# Altium PCB Moki V3.PcbDoc
Units mm, origin at the board's own origin, x right, y up, seen from the top; angles counter-clockwise.
Board outline 53.5 x 41 mm, 2 copper layers (Top Layer, Bottom Layer), stack 1.141 mm thick; 91 components, 85 nets, 369 pads, 162 vias.
Unrouted connection lines stored in the file: 72.
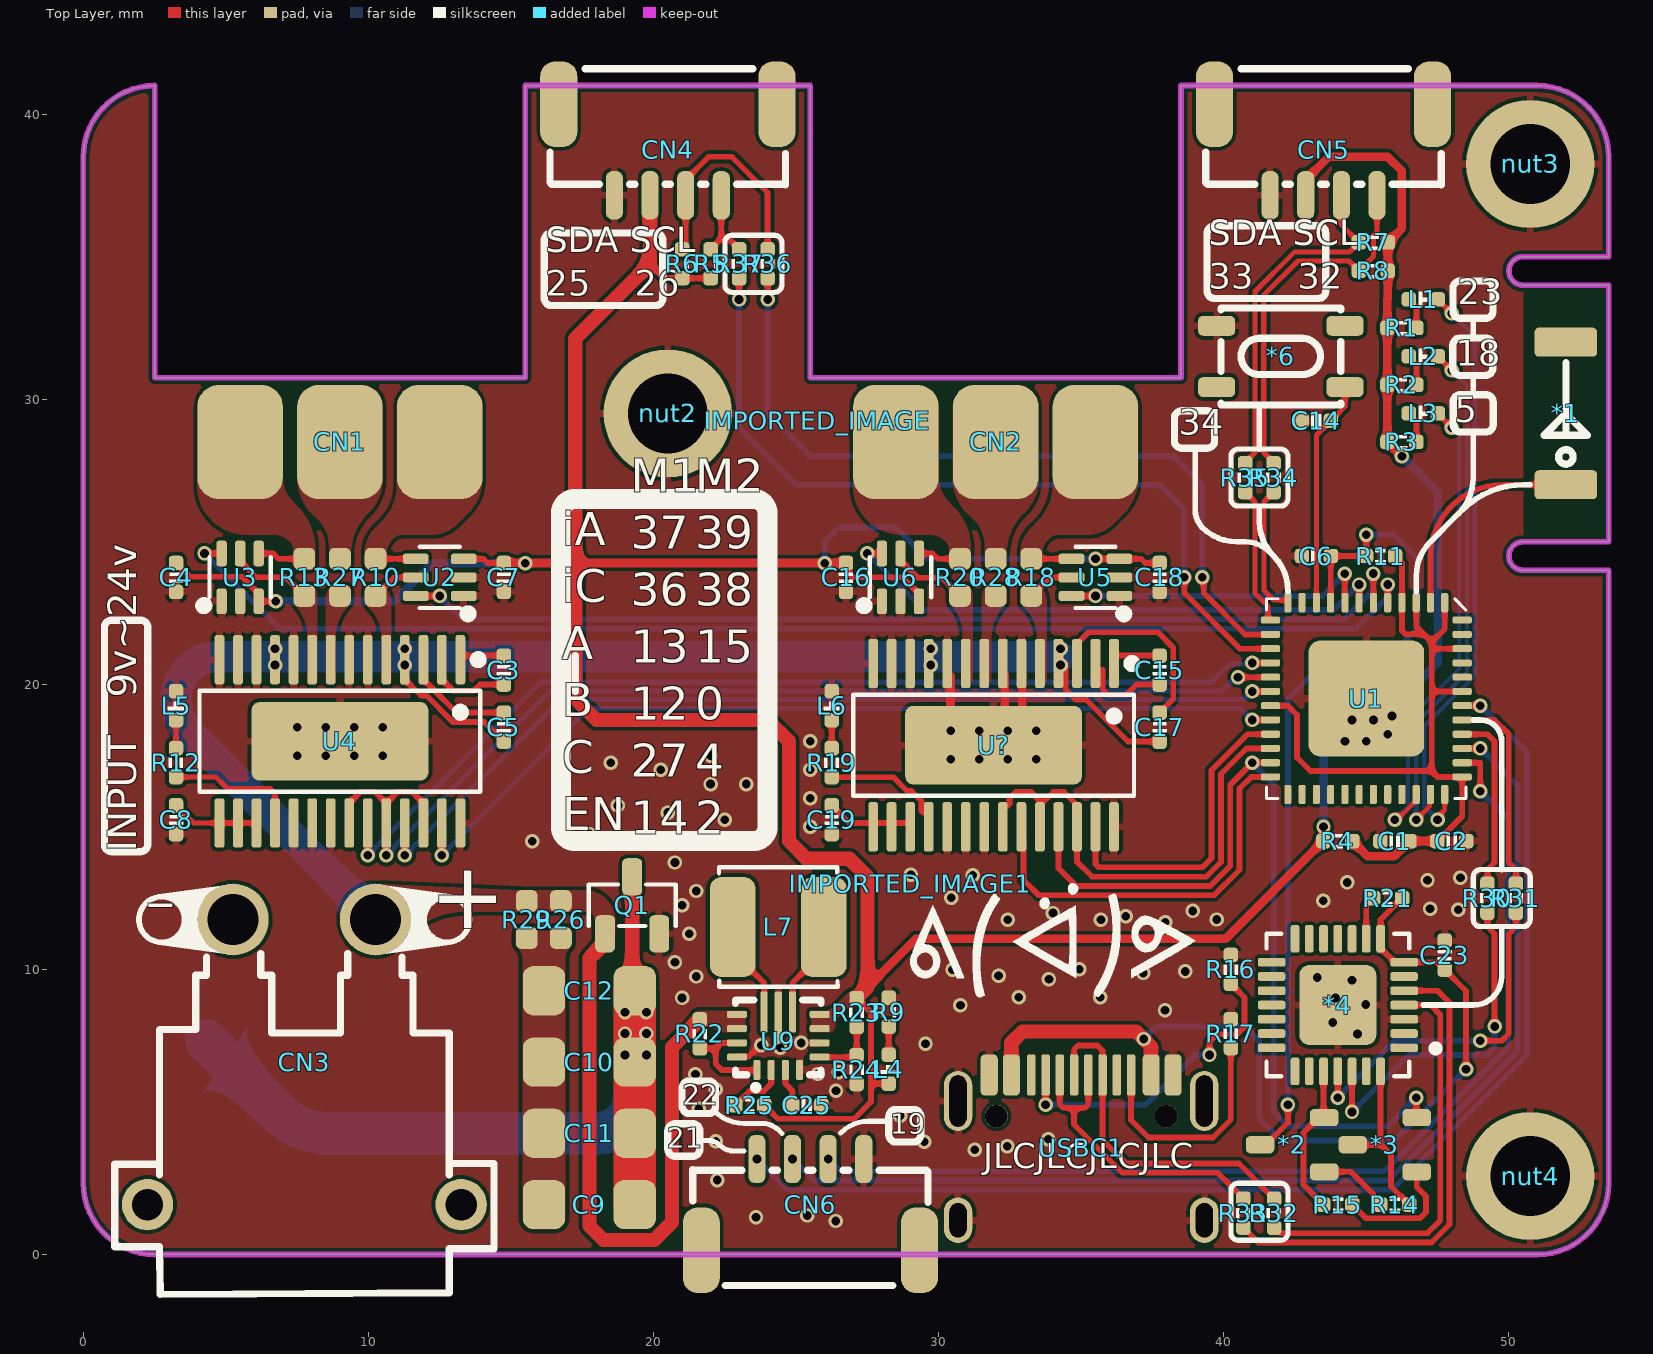
[diagram p0: Top Layer view]
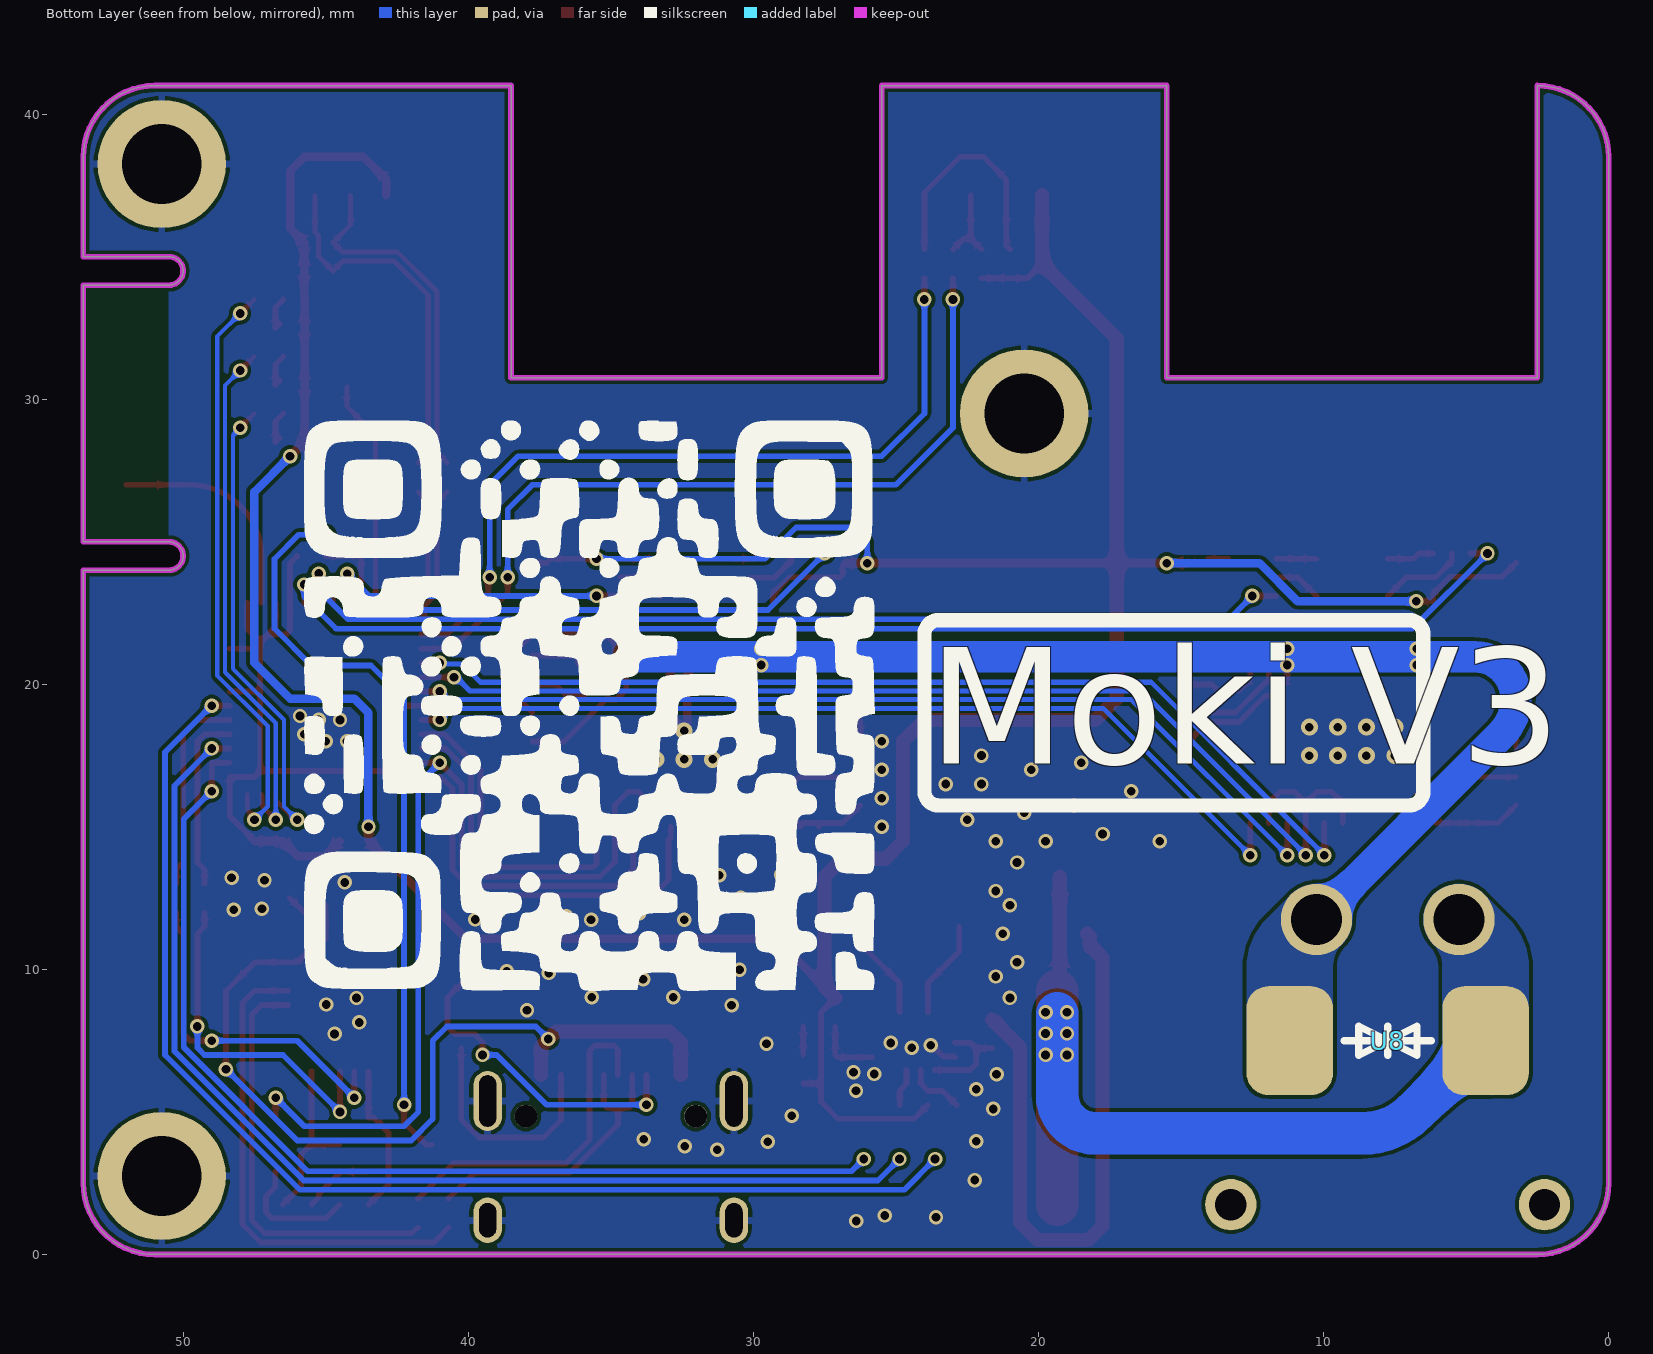
[diagram p1: Bottom Layer view, seen from below]
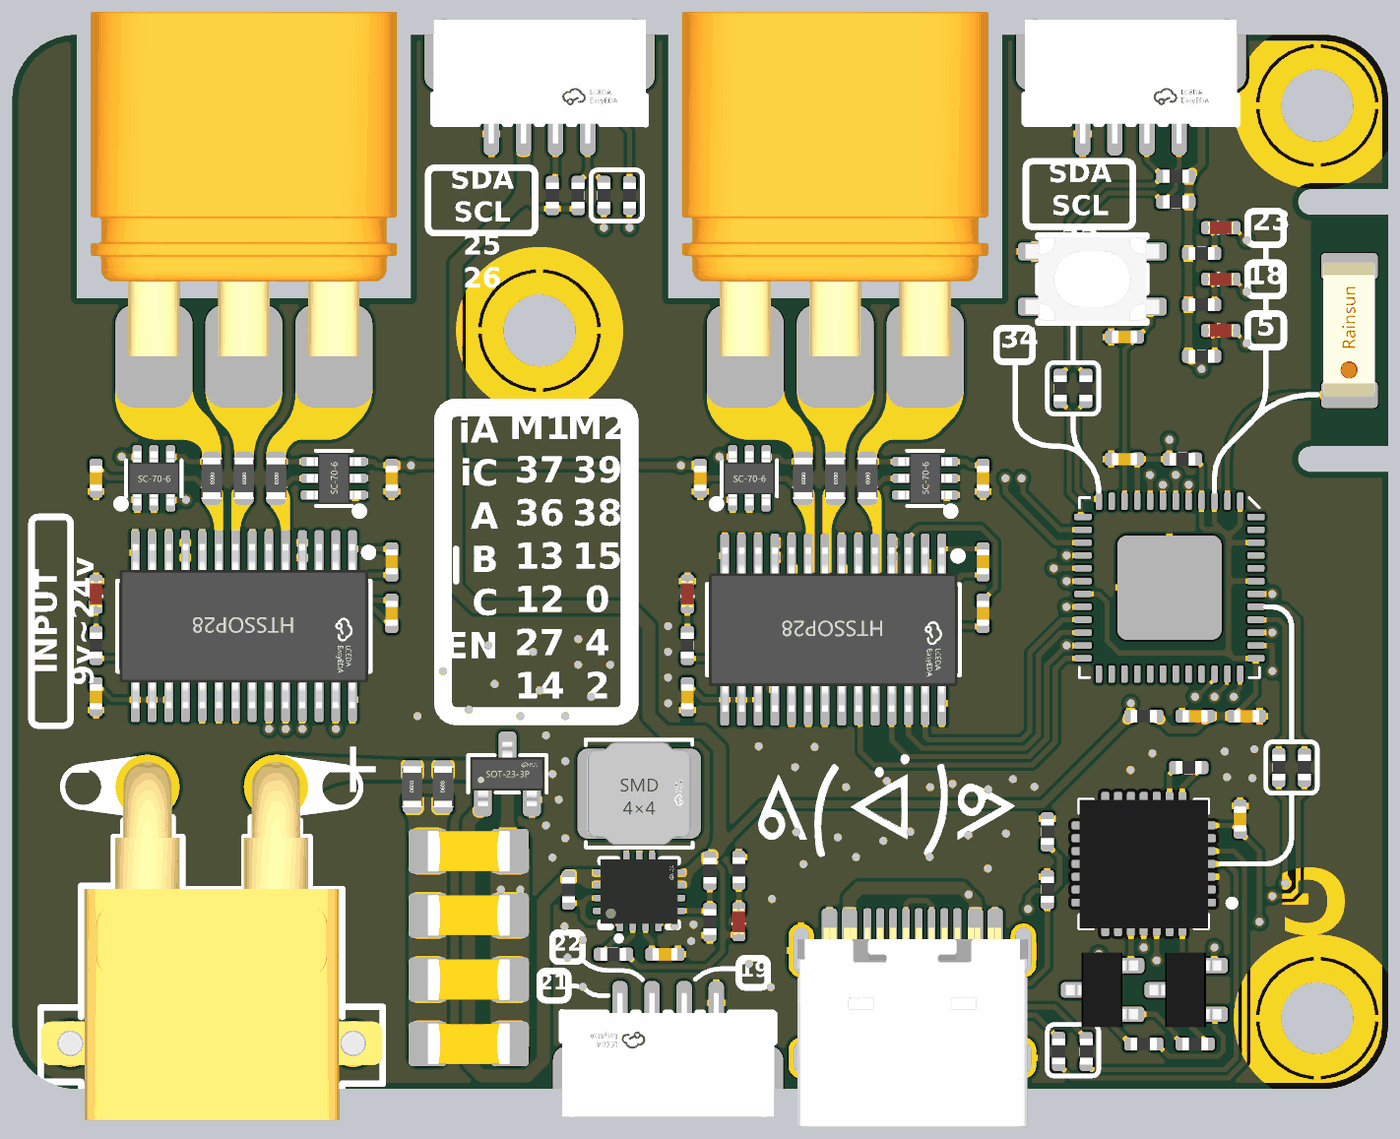
[diagram p2: 3D render of the assembled board from above, using the file's embedded part models]

## Layer stack, top to bottom
Top Solder: solder mask 0.0102, Solder Resist, Dk 3.5
Top Layer: signal copper 0.0356
Dielectric 1: dielectric 1.07, FR-4, Dk 4.8
Bottom Layer: signal copper 0.0356
Bottom Solder: solder mask 0.0102, Solder Resist, Dk 3.5

## Board outline
2.5,0 51,0 ccw(c51,2.5) 53.5,2.5 53.5,24 50.5,24 cw(c50.5,24.5) 50.5,25 53.5,25 53.5,34 50.5,34 cw(c50.5,34.5) 50.5,35 53.5,35 53.5,38.5 ccw(c51,38.5) 51,41 38.5,41 38.5,30.75 25.5,30.75 25.5,41 15.5,41 15.5,30.75 2.5,30.75 2.5,41 ccw(c2.5,38.5) 0,38.5 0,2.5 ccw(c2.5,2.5)

## Design rules (kind name [scope] priority, off if disabled: settings)
Clearance [All] p1: gap=0.127 ignorepadtopadclearanceinfootprint=FALSE
ComponentClearance [All] p1: gap=0 collisioncheckmode=3 verticalgap=0 showdistances=FALSE
DiffPairsRouting [All] p1: maxlimit=0.229 minlimit=0.229 mostfreqgap=0.229 toplayer_minwidth=0.102 toplayer_maxwidth=0.102 toplayer_prefwidth=0.102 bottomlayer_minwidth=0.102 bottomlayer_maxwidth=0.102 bottomlayer_prefwidth=0.102 maxuncoupledlength=12.7
FanoutControl Fanout_BGA [All] p1: bgadir=Out bgaviamode=Centered fanoutstyle=Auto fanoutdirection=Alternating viagrid=0.025 // Fanout_BGA (Default Rule)
HoleSize [All] p1: absolutevalues=TRUE maxlimit=254 minlimit=0.203 maxpercent=80.000 minpercent=20.000
MinimumSolderMaskSliver [All] p1 off: minsoldermaskwidth=0.051
PlaneClearance [All] p1: clearance=0.127
PlaneConnect [All] p1: pad.planeconnectstyle=Relief pad.reliefexpansion=0.127 pad.reliefentries=4 pad.reliefconductorwidth=0.254 pad.reliefairgap=0.127 via.planeconnectstyle=Direct via.reliefexpansion=0.127 via.reliefentries=4 via.reliefconductorwidth=0.254 via.reliefairgap=0.127
PolygonConnect PolygonConnect_1 [All vs IsNamedPolygon('GND_L01_P116') Or IsNamedPolygon('GND_L02_P119')] p1: thpad.connectstyle=Relief thpad.reliefconductorwidth=0.254 thpad.reliefentries=4 thpad.polygonreliefangle="90 Angle" thpad.airgapwidth=0.127 smdpad.connectstyle=Relief smdpad.reliefconductorwidth=0.254 smdpad.reliefentries=4 smdpad.polygonreliefangle="90 Angle" smdpad.airgapwidth=0.127 via.connectstyle=Direct via.reliefconductorwidth=0.254 via.reliefentries=4 via.polygonreliefangle="90 Angle" via.airgapwidth=0.254
PolygonConnect [All] p2: connectstyle=Direct reliefconductorwidth=0.254 reliefentries=4 polygonreliefangle="90 Angle" airgapwidth=0.127
RoutingVias [All] p1: holewidth=0.203 width=0.406 viastyle="Through Hole" minholewidth=0.152 minwidth=0.305 maxholewidth=0.711 maxwidth=1.27
SilkToSilkClearance [All] p1: silktosilkclearance=0
SilkToSolderMaskClearance [IsPad] p1: minsilkscreentomaskgap=0.15 clearancetoexposedcopper=TRUE
SolderMaskExpansion [All] p1: expansion=0.076 istentingtop=FALSE
UnRoutedNet [All] p1: checkbadconnections=TRUE
Width [All] p1: maxlimit=254 minlimit=0.152 preferedwidth=0.178
20 further rules are at their usual default settings.

## Components (designator, comment, footprint, x,y, rotation, side; value= is the part's Value field where it differs from the comment)
*1 "AN2051-245" AN2051-245 52,29.5 r90 top
*2 "S8050" SOT22-3 42.275,3.85 r180 top
*3 "S8050" SOT22-3 45.525,3.85 r180 top
*4 "CP2102" QFN-28 44,8.75 r180 top
*6 "贴片按键" SW-SMD_4P-L4.2-W3.3-P2.15-LS5.1 42,31.5 r180 top
C1 "10uF" 电容-0402 46,14.5 r180 top
C2 "0.1uF" 电容-0402 48,14.5 r0 top
C3 "0.01uF" 电容-0402 14.75,20.5 r90 top
C4 "1uF" 电容-0402 3.25,23.75 r90 top
C5 "0.1uF" 电容-0402 14.75,18.5 r270 top
C6 "10uF" 电容-0402 43.25,24.5 r180 top
C7 "1uF" 电容-0402 14.75,23.75 r90 top
C8 "0.1uF" 电容-0402 3.25,15.25 r90 top
C9 "10uF" C1206 17.75,1.75 r180 top locked
C10 "10uF" C1206 17.75,6.75 r180 top locked
C11 "10uF" C1206 17.75,4.25 r180 top locked
C12 "10uF" C1206 17.75,9.25 r180 top locked
C14 "0.1uF" 电容-0402 43.25,29.25 r0 top
C15 "0.01uF" 电容-0402 37.75,20.5 r90 top
C16 "1uF" 电容-0402 26.75,23.75 r90 top
C17 "0.1uF" 电容-0402 37.75,18.5 r270 top
C18 "1uF" 电容-0402 37.75,23.75 r90 top
C19 "0.1uF" 电容-0402 26.25,15.25 r90 top
C23 "10uF" 电容-0402 47.75,10.5 r270 top
C25 "10uF" 电容-0402 25.375,5.238 r180 top locked
CN1 "MR30PW-F" CONN-TH_MR30-M 9,28.5 r180 top locked
CN2 "MR30PW-F" CONN-TH_MR30-M 32,28.5 r180 top locked
CN3 "XT30PW-M" CONN-TH_XT30PW-M 7.75,6.75 r0 top locked
CN4 "A1257WR-S-4P" CONN-SMD_A1257WR-S-4P 20.5,38.75 r180 top locked
CN5 "A1257WR-S-4P" CONN-SMD_A1257WR-S-4P 43.5,38.75 r180 top locked
CN6 "A1257WR-S-4P" CONN-SMD_A1257WR-S-4P 25.5,1.75 r0 top locked
IMPORTED_IMAGE "Comment" IMPORTED_IMAGE 25.75,29.25 r0 top
IMPORTED_IMAGE1 "Comment" IMPORTED_IMAGE 29,13 r0 top (schematic designator IMPORTED_IMAGE)
L1 "LED-0402" LED-0402 47,33.5 r0 top
L2 "LED-0402" LED-0402 47,31.5 r0 top
L3 "LED-0402" LED-0402 47,29.5 r0 top
L4 "LED-0402" LED-0402 28.25,6.504 r90 top locked
L5 "LED-0402" LED-0402 3.25,19.25 r90 top
L6 "LED-0402" LED-0402 26.25,19.25 r90 top
L7 "SWPA4020S1R5NT" IND-SMD_L4.0-W4.0 24.375,11.488 r0 top locked value=1.5uH
nut2 "贴片螺母-m2" 贴片螺母-m2 20.5,29.5 r0 top
nut3 "贴片螺母-m2" 贴片螺母-m2 50.75,38.25 r0 top locked
nut4 "贴片螺母-m2" 贴片螺母-m2 50.75,2.75 r0 top locked
Q1 "AO3400_C181090" SOT-23-3_L2.9-W1.3-P1.90-LS2.4-BR 19.25,12.25 r270 top locked
R1 "5.1K" 电阻-0402 46.25,32.5 r0 top
R2 "5.1K" 电阻-0402 46.25,30.5 r0 top
R3 "5.1K" 电阻-0402 46.25,28.5 r0 top
R4 "0" 电阻-0402 44,14.5 r180 top
R5 "10K" 电阻-0402 22,34.75 r90 top
R6 "10K" 电阻-0402 21,34.75 r90 top
R7 "10K" 电阻-0402 45.25,35.5 r180 top
R8 "10K" 电阻-0402 45.25,34.5 r180 top
R9 "5.1K" 电阻-0402 28.25,8.504 r90 top locked
R10 "0.5" R0603_L 10.25,23.75 r270 top
R11 "10K" 电阻-0402 45.5,24.5 r0 top
R12 "5.1K" 电阻-0402 3.25,17.25 r90 top
R13 "0.5" R0603_L 7.75,23.75 r270 top
R14 "10K" 电阻-0402 46,1.75 r180 top
R15 "10K" 电阻-0402 44,1.75 r0 top
R16 "5.1K" 电阻-0402 40.25,10 r90 top
R17 "5.1K" 电阻-0402 40.25,7.75 r90 top
R18 "0.5" R0603_L 33.25,23.75 r270 top
R19 "5.1K" 电阻-0402 26.25,17.25 r90 top
R20 "0.5" R0603_L 30.75,23.75 r270 top
R21 "5.1K" 电阻-0402 45.75,12.5 r180 top
R22 "10K" 电阻-0402 21.625,7.738 r90 top locked
R23 "470K" 电阻-0402 27.125,8.488 r90 top locked
R24 "150K" 电阻-0402 27.125,6.488 r90 top locked
R25 "100K" 电阻-0402 23.375,5.238 r180 top locked
R26 "0" R0603_L 16.75,11.75 r90 top locked
R27 "0.5" R0603_L 9,23.75 r270 top
R28 "0.5" R0603_L 32,23.75 r270 top
R29 "0" R0603_L 15.55,11.75 r90 top locked
R30 "22" 电阻-0402 49.25,12.5 r270 top
R31 "22" 电阻-0402 50.25,12.5 r90 top
R32 "22" 电阻-0402 41.764,1.45 r270 top
R33 "22" 电阻-0402 40.69,1.454 r270 top
R34 "22" 电阻-0402 41.75,27.25 r270 top
R35 "22" 电阻-0402 40.75,27.25 r270 top
R36 "22" 电阻-0402 24,34.75 r270 top
R37 "22" 电阻-0402 23,34.75 r270 top
U1 "ESP32-Pico-D4" QFN-48_7X7 45,19.5 r270 top
U2 "INA199B1DCKR" SC-70-6_L2.2-W1.3-P0.65-LS2.1-BL 12.5,23.75 r90 top
U3 "INA199B1DCKR" SC-70-6_L2.2-W1.3-P0.65-LS2.1-BL 5.5,23.75 r0 top
U4 "DRV8313PWPR" HTSSOP-28_L9.8-W4.5-P0.65-LS6.6-BL-EP 9,18 r180 top locked
U5 "INA199B1DCKR" SC-70-6_L2.2-W1.3-P0.65-LS2.1-BL 35.5,23.75 r90 top
U6 "INA199B1DCKR" SC-70-6_L2.2-W1.3-P0.65-LS2.1-BL 28.66,23.75 r0 top
U8 "5.0SMDJ24CA" SMC_L6.9-W5.9-LS7.9-BI 7.75,7.5 r180 bottom locked
U9 "TPS63070RNMR" VQFN-HR-15_L3.0-W2.5-P0.50-BL_TPS63070RNMR 24.375,7.488 r0 top locked
U? "DRV8313PWPR" HTSSOP-28_L9.8-W4.5-P0.65-LS6.6-BL-EP 31.926,17.865 r180 top
USBC1 "TYPE-C 2.0 -16P" USB-C-SMD_16P 35,3.75 r0 top locked

## Footprints (in the part's own frame and the unit in brackets; to place one, negate y for a bottom-side part, rotate by r counter-clockwise, add the part's x,y. Pads: shape width x height; smd on the part's side, far side on the other; paste and mask are expansions set on the pad)
AN2051-245 [mm]
  rrect30% 1.016x2.2 smd mask+0.051: 1(-2.5,0) 2(2.5,0)
  silkscreen extent -1.78,-0.76 1.78,0.76, body extent -2.55,-1 2.65,1.01, height 1.2
C1206 [mm] "贴片MLCC电容-无丝印"
  rrect50% 1.485x1.728 smd paste-2539.97 mask+0.051: 1(-1.593,0) 2(1.593,0)
  body extent -1.6,-0.8 1.6,0.8, height 1.3
CONN-SMD_A1257WR-S-4P [mm]
  rrect80% 0.6x1.7 smd mask+0.051: 1(1.874,1.6) 2(0.625,1.6) 3(-0.625,1.6) 4(-1.875,1.6)
  rrect80% 1.3x3 smd mask+0.051: 5(3.825,-1.6) 6(-3.825,-1.6)
  silkscreen extent -4.13,-2.84 4.13,1.23, body extent -4.13,-2.86 4.13,2, height 4.26
CONN-TH_MR30-M [mm]
  rrect50% 3x4 smd mask+0.05: 1(-3.5,0) 2(0,0) 3(3.5,0)
  body extent -5.95,-13.4 5.95,0, height 2.45
CONN-TH_XT30PW-M [mm]
  round 2.5 hole 1.8 mask+0.051: 1(-2.5,5) 2(2.5,5)
  round 1.8 hole 1.1 mask+0.051: 3(5.5,-5) 4(-5.5,-5)
  silkscreen extent -6.65,-8.15 6.65,3.81, body extent -6.65,-7.98 6.65,5.97, height 5
HTSSOP-28_L9.8-W4.5-P0.65-LS6.6-BL-EP [mil]
  rrect50% 13.5x68.2 smd mask+2: 1(-166.3,-112.8) 2(-140.7,-112.8) 3(-115.2,-112.8) 4(-89.6,-112.8) 5(-64,-112.8) 6(-38.4,-112.8) 7(-12.8,-112.8) 8(12.8,-112.8) 9(38.4,-112.8) 10(64,-112.8) 11(89.6,-112.8) 12(115.2,-112.8) 13(140.8,-112.8) 14(166.3,-112.8) 15(166.3,112.8) 16(140.8,112.8) 17(115.2,112.8) 18(89.6,112.8) 19(64,112.8) 20(38.4,112.8) 21(12.8,112.8) 22(-12.8,112.8) 23(-38.4,112.8) 24(-64,112.8) 25(-89.6,112.8) 26(-115.2,112.8) 27(-140.7,112.8) 28(-166.3,112.8)
  rrect20% 244.1x108.3 smd mask+2: 29(0,0)
  silkscreen extent -197,-119 194,70, body extent -190,-126 190,126, height 51
IMPORTED_IMAGE [mm]
IND-SMD_L4.0-W4.0 [mm]
  rrect50% 1.6x3.5 smd mask+0.051: 1(-1.6,0) 2(1.6,0)
  silkscreen extent -2.08,-2.1 2.08,2.1, body extent -2.01,-2 2.01,2, height 1.87
LED-0402 [mil]
  rrect50% 20x20 smd: 1(-20,0) 2(20,0)
  silkscreen extent -6,-10 6,10, body extent -20,-10 20,10, height 18
QFN-28 [mil]
  rrect50% 38x12 smd mask+5: 1(-91.5,59.06) 2(-91.5,39.37) 3(-91.5,19.69) 4(-91.5,0) 5(-91.5,-19.68) 6(-91.5,-39.37) 7(-91.5,-59.06) 15(91.5,-59.06) 16(91.5,-39.37) 17(91.5,-19.68) 18(91.5,0) 19(91.5,19.69) 20(91.5,39.37) 21(91.5,59.06)
  rrect50% 12x38 smd mask+5: 8(-59.06,-91.5) 9(-39.37,-91.5) 10(-19.68,-91.5) 11(0,-91.5) 12(19.69,-91.5) 13(39.37,-91.5) 14(59.06,-91.5) 22(59.06,91.5) 23(39.37,91.5) 24(19.69,91.5) 25(0,91.5) 26(-19.68,91.5) 27(-39.37,91.5) 28(-59.06,91.5)
  rrect25% 106.3x110.24 smd: 29(0,0)
  silkscreen extent -140,-99 98,99, body extent -98,-98 98,98, height 35
QFN-48_7X7 [mm]
  rrect50% 0.675x0.25 smd: 1(-3.363,2.75) 2(-3.363,2.25) 3(-3.363,1.75) 4(-3.363,1.25) 5(-3.363,0.75) 6(-3.362,0.25) 7(-3.362,-0.25) 8(-3.363,-0.75) 9(-3.363,-1.25) 10(-3.363,-1.75) 11(-3.363,-2.25) 12(-3.363,-2.75) 25(3.363,-2.75) 26(3.363,-2.25) 27(3.363,-1.75) 28(3.363,-1.25) 29(3.363,-0.75) 30(3.362,-0.25) 31(3.362,0.25) 32(3.363,0.75) 33(3.363,1.25) 34(3.363,1.75) 35(3.363,2.25) 36(3.363,2.75)
  rrect50% 0.25x0.675 smd: 13(-2.75,-3.363) 14(-2.25,-3.363) 15(-1.75,-3.363) 16(-1.25,-3.363) 17(-0.75,-3.363) 18(-0.25,-3.362) 19(0.25,-3.362) 20(0.75,-3.363) 21(1.25,-3.363) 22(1.75,-3.363) 23(2.25,-3.363) 24(2.75,-3.363) 37(2.75,3.363) 38(2.25,3.363) 39(1.75,3.363) 40(1.25,3.363) 41(0.75,3.363) 42(0.25,3.362) 43(-0.25,3.362) 44(-0.75,3.363) 45(-1.25,3.363) 46(-1.75,3.363) 47(-2.25,3.363) 48(-2.75,3.363)
  rrect20% 4.064x4.064 smd: 49(0,0)
  silkscreen extent -3.5,-3.5 3.5,3.5, body extent -3.5,-3.5 3.5,3.5, height 1
R0603_L [mil] "1/10W贴片电阻"
  rrect50% 30x30 smd: 1(-25.59,0) 2(25.59,0)
  body extent -31,-16 32,16, height 16
SC-70-6_L2.2-W1.3-P0.65-LS2.1-BL [mm]
  rrect50% 0.36x0.9 smd mask+0.051: 1(-0.65,-0.84) 2(0,-0.84) 3(0.65,-0.84) 4(0.65,0.84) 5(0,0.84) 6(-0.65,0.84)
  silkscreen extent -1.43,-1.14 1.08,0.7, body extent -1,-1.05 1,1.05, height 1
SMC_L6.9-W5.9-LS7.9-BI [mm]
  rrect50% 3.03x3.82 smd mask+0.051: 1(-3.435,0) 2(3.435,0)
  silkscreen extent -1.52,-0.51 1.54,0.51, body extent -4,-3 4,3, height 2.1
SOT22-3 [mm]
  rrect50% 1x0.6 smd: 1(-1.246,0.95) 2(-1.246,-0.95) 3(1,0)
  body extent -1.5,-1.45 1.3,1.45, height 1.2
SOT-23-3_L2.9-W1.3-P1.90-LS2.4-BR [mm]
  rrect50% 1.3x0.7 smd mask+0.051: 1(1,-0.95) 2(1,0.95) 3(-1,0)
  silkscreen extent -0.73,-1.53 0.73,1.53, body extent -1.25,-1.45 1.25,1.45, height 1.05
SW-SMD_4P-L4.2-W3.3-P2.15-LS5.1 [mm]
  rrect50% 1.3x0.7 smd mask+0.051: 1(-2.25,1.075) 2(2.25,1.075) 3(-2.25,-1.075) 4(2.25,-1.075)
  silkscreen extent -2.1,-1.7 2.1,1.7, body extent -2.6,-1.63 2.6,1.63, height 2.5
USB-C-SMD_16P [mil]
  oval 39.4x82.7 hole 23.6 slot 70.9 at 90 deg mask+2: 13(-170.1,64.3) 14(170.1,64.3)
  oval 39.4x63 hole 23.6 slot 47.2 at 90 deg mask+2: 15(-170.1,-100.3) 16(170.1,-100.3)
  round 31.5 hole 31.5 mask+0: 27(-117.28,43.39) 27(117.28,43.39)
  rrect50% 23.6x57.1 smd mask+2: A1B12(-127,100.3) A4B9(-96.5,100.3) B1A12(126.8,100.3) B4A9(96.5,100.3)
  rrect50% 11.8x57.1 smd mask+2: A5(-49.2,100.3) A6(-9.8,100.3) A7(9.8,100.3) A8(49.2,100.3) B5(68.9,100.3) B6(29.5,100.3) B7(-29.5,100.3) B8(-68.9,100.3)
  body extent -176,-206 176,99, height 128
VQFN-HR-15_L3.0-W2.5-P0.50-BL_TPS63070RNMR [mm]
  rrect50% 0.25x0.7 smd mask+0.051: 1(-0.75,-1.016) 2(-0.25,-1.016) 3(0.25,-1.016) 4(0.75,-1.016)
  rrect50% 0.7x0.25 smd mask+0.051: 5(1.45,-0.566) 6(1.45,-0.066) 7(1.45,0.434) 8(1.45,0.934) 12(-1.45,0.434) 13(-1.45,0.934) 14(-1.45,-0.066) 15(-1.45,-0.566)
  rrect50% 0.25x1.45 smd mask+0.051: 9(0.5,1.016) 11(-0.5,1.016)
  rrect50% 0.25x1.85 smd mask+0.051: 10(0,0.816)
  silkscreen extent -1.5,-1.73 1.5,1.44, body extent -1.5,-1.07 1.5,1.43, height 0.9
电容-0402 [mil]
  rrect50% 20x20 smd: 1(-20,0) 2(20,0)
  silkscreen extent -7,-9 7,9, body extent -20,-10 20,10, height 20
电阻-0402 [mil]
  rrect50% 20x20 smd: 1(-20,0) 2(20,0)
  silkscreen extent -6,-10 6,10, body extent -20,-10 20,10, height 14
贴片螺母-m2 [mm]
  round 4.5 hole 2.8 mask+1: 0(0,0)
  body extent -2,-2 2,2, height 2

## Part data
C1 C2 C3 C4 C5 C6 C7 C8 C9 C10 C11 C12 C14 C15 C16 C17 C18 C19 C23 C25: library part 电容, "贴片电容/MLCC电容", BOM名称=无极性贴片电容
CN1 CN2: library part MR30侧贴, JLCPCB Part Class=扩展库, Add into BOM=yes, Convert to PCB=yes, Device=MR30PW-F, LCSC Part Name=MR30PW-F, Manufacturer Part=MR30PW-F, Name=MR30PW-F, Supplier=LCSC, Supplier Footprint="Through hole", Supplier Part=C2928110, Symbol=MR30PW-F
CN3: "Socket,DCsupply,XT30,male,PIN:2", JLCPCB Part Class=扩展库, LCSC Part Name=XT30PW-M公头, Manufacturer=AMASS(艾迈斯), Add into BOM=yes, Convert to PCB=yes, Datasheet=https://atta.szlcsc.com/upload/public/pdf/source/20220222/6A9F22F7850E25B33E1BE430ADF8560B.pdf, Device=XT30PW-M, Manufacturer Part=XT30PW-M, Name=XT30PW-M, Supplier=LCSC, Supplier Footprint=-, Supplier Part=C431092, Symbol=XT30PW-M
CN4 CN5 CN6: library part GH1.25*4P, "参考系列:GH;间距:1.25mm;插针结构:1x4P;排数:1;每排PIN数:4;行距:-;安装方式:-;触头材质:黄铜;", JLCPCB Part Class="Extended Part", LCSC Part Name="GH1.25卧式贴片 镀锡 4P 针座连接器", Manufacturer=CJT(长江连接器), Add into BOM=yes, Contact Material=黄铜, Convert to PCB=yes, Datasheet=https://atta.szlcsc.com/upload/public/pdf/source/20180509/C225127_D8D3C7F8F1F45F960D198B1E232900BE.pdf, Device=A1257WR-S-4P, Manufacturer Part=A1257WR-S-4P, Mounting Style=-, Name=A1257WR-S-4P, Number of PINs Per Row=4, Number of Rows=1, Pins Structure=1x4P, Pitch=1.25mm, Reference Series=GH, Row Spacing=-, Supplier=LCSC, Supplier Footprint=SMD,P=1.25mm, Supplier Part=C225127, Symbol=A1257WR-S-4P
L7: "电感值:1.5uH;精度:±30%;额定电流:1.98A;饱和电流(Isat):4.45A;直流电阻(DCR):35mΩ;", DC Resistance (DCR)=35mΩ, JLCPCB Part Class=扩展库, LCSC Part Name="1.5uH ±30% 1.98A 35mΩ", Manufacturer=Sunlord(顺络), Rated Current=1.98A, Saturation Current (Isat)=4.45A, Tolerance=±30%, Add into BOM=yes, Convert to PCB=yes, Datasheet=https://atta.szlcsc.com/upload/public/pdf/source/20210916/AC798BA7E846B7D0B6818F45CD84DB0B.pdf, Device=SWPA4020S1R5NT, Manufacturer Part=SWPA4020S1R5NT, Name=1.5uH, Supplier=LCSC, Supplier Footprint=SMD, Supplier Part=C42099, Symbol=SWPA4020S1R5NT
Q1: library part AO3400, "类型:N沟道;漏源电压(Vdss):30V;连续漏极电流(Id):5.8A;功率(Pd):350mW;导通电阻(RDS(on)@Vgs,Id):35mΩ@10V,5.8A;阈值电压(Vgs(th)@Id):1.4V@250uA;", Continuous Drain Current (Id)=5.8A, Drain Source On Resistance (RDS(on)@Vgs,Id)=35mΩ@10V,5.8A, Drain Source Voltage (Vdss)=30V, Gate Threshold Voltage (Vgs(th)@Id)=1.4V@250uA, JLCPCB Part Class=扩展库, LCSC Part Name="N沟道 30V 5.8A", Manufacturer=Hottech(合科泰), Power Dissipation (Pd)=350mW, Add into BOM=yes, Convert to PCB=yes, Datasheet=https://atta.szlcsc.com/upload/public/pdf/source/20220427/6A3871894567E8883DB64081D5FF8011.pdf, Device=AO3400_C181090, Manufacturer Part=AO3400, Name=AO3400, Supplier=LCSC, Supplier Footprint=SOT-23-3, Supplier Part=C181090, Symbol=AO3400_C181090, Type=N沟道
R1 R2 R3 R4 R5 R6 R7 R8 R9 R10 R11 R12 R13 R14 R15 R16 R17 R18 R19 R20 R21 R22 R23 R24 R25 R26 R27 R28 R29 R30 R31 R32 R33 R34 R35 R36 R37: library part 电阻, "贴片电阻", BOM名称=贴片电阻
U2 U3 U5 U6: "INA199 26V、双向、零漂移、低侧/高侧、电压输出分流监控器", JLCPCB Part Class="Extended Part", Manufacturer=TI(德州仪器), Add into BOM=yes, Convert to PCB=yes, Datasheet=https://atta.szlcsc.com/upload/public/pdf/source/20190618/C398920_11F1AA1C0E9C9D9BC4E845E2D57884D2.pdf, Device=INA199B1DCKR, LCSC Part Name=INA199B1DCKR, Manufacturer Part=INA199B1DCKR, Supplier=LCSC, Supplier Footprint=SC-70-6, Supplier Part=C398920, Symbol=INA199B1DCKR
U4 U?: "DRV8313 三路 1/2 H 桥驱动器 IC", JLCPCB Part Class=扩展库, Manufacturer=TI(德州仪器), Add into BOM=yes, Convert to PCB=yes, Datasheet=https://atta.szlcsc.com/upload/public/pdf/source/20180307/C92482_15204091381071407760.pdf, Device=DRV8313PWPR, LCSC Part Name=DRV8313PWPR, Manufacturer Part=DRV8313PWPR, Name=DRV8313PWPR, Supplier=LCSC, Supplier Footprint=HTSSOP-28, Supplier Part=C92482, Symbol=DRV8313PWPR
U8: library part MDJ24CA, "极性:双向;反向截止电压(Vrwm):24V;击穿电压:26.7V;反向漏电流(Ir):5uA;峰值脉冲电流(Ipp)@10/1000μs:129A;最大钳位电压:38.9V;峰值脉冲功率(Ppp)@10/1000μs:5kW;", Breakdown Voltage=26.7V, JLCPCB Part Class="Extended Part", LCSC Part Name="双向 Vrwm:24V 5kW", Manufacturer=PAKER(派克微), Maximum Clamping Voltage=38.9V, Peak Pulse Current (Ipp)@10/1000μs=129A, Peak Pulse Power Dissipation (Ppp)@10/1000μs=5kW, Reverse Leakage Current (Ir)=5uA, Reverse Stand-Off Voltage (Vrwm)=24V, Add into BOM=yes, Convert to PCB=yes, Datasheet=https://atta.szlcsc.com/upload/public/pdf/source/20220607/733F7EF8A256C9AB9E3BF6EBC63A8845.pdf, Device=5.0SMDJ24CA_C3012614, Manufacturer Part=5.0SMDJ24CA, Name=5.0SMDJ24CA, Polarity=双向, Supplier=LCSC, Supplier Footprint=SMC, Supplier Part=C3012614, Symbol=5.0SMDJ24CA_C3012614
U9: "功能类型:升降压型;同步整流:是;输出通道数:1;拓扑结构:降压-升压式;输入电压:2V~16V;输出电压:2.5V~9V;输出电流(最大值):2A;开关频率:2.4MHz;", Input Voltage=2V~16V, LCSC Part Name="升降压型 2V~16V 2A 2.4MHz", Manufacturer=TI(德州仪器), Output Current (Max)=2A, Output Voltage=2.5V~9V, Switching Frequency=2.4MHz, Add into BOM=yes, Convert to PCB=yes, Datasheet=https://atta.szlcsc.com/upload/public/pdf/source/20170810/C109322_1502335154724879675.pdf, Device=TPS63070RNMR, Function=升降压型, Manufacturer Part=TPS63070RNMR, Name=TPS63070RNMR, Number of Outputs=1, Supplier=LCSC, Supplier Footprint=VQFN-HR-15, Supplier Part=C109322, Symbol=TPS63070RNMR, Synchronous Rectification=是, Topology=降压-升压式
USBC1: library part Type-C_16Pin, "USB2.0_Type-C_16Pin母座"

## Via types
v1: diameter 0.505, hole 0.305, Top Layer to Bottom Layer, tented both sides, 146 vias
v2: diameter 0.6, hole 0.3, Top Layer to Bottom Layer, tented bottom, 16 vias
